# Altium PCB Enigma Rev B.PcbDoc (part 8 of 8)
Units mm, origin at the board's own origin, x right, y up, seen from the top; angles counter-clockwise.
Board outline 239.08 x 138 mm, 6 copper layers (Component Side, Ground Plane (GND), Inner Layer 1, Inner Layer 2, Power Plane (VCC), Solder Side), stack 1.297 mm thick; 556 components, 648 nets, 2393 pads, 1101 vias.
Unrouted connection lines stored in the file: 43.
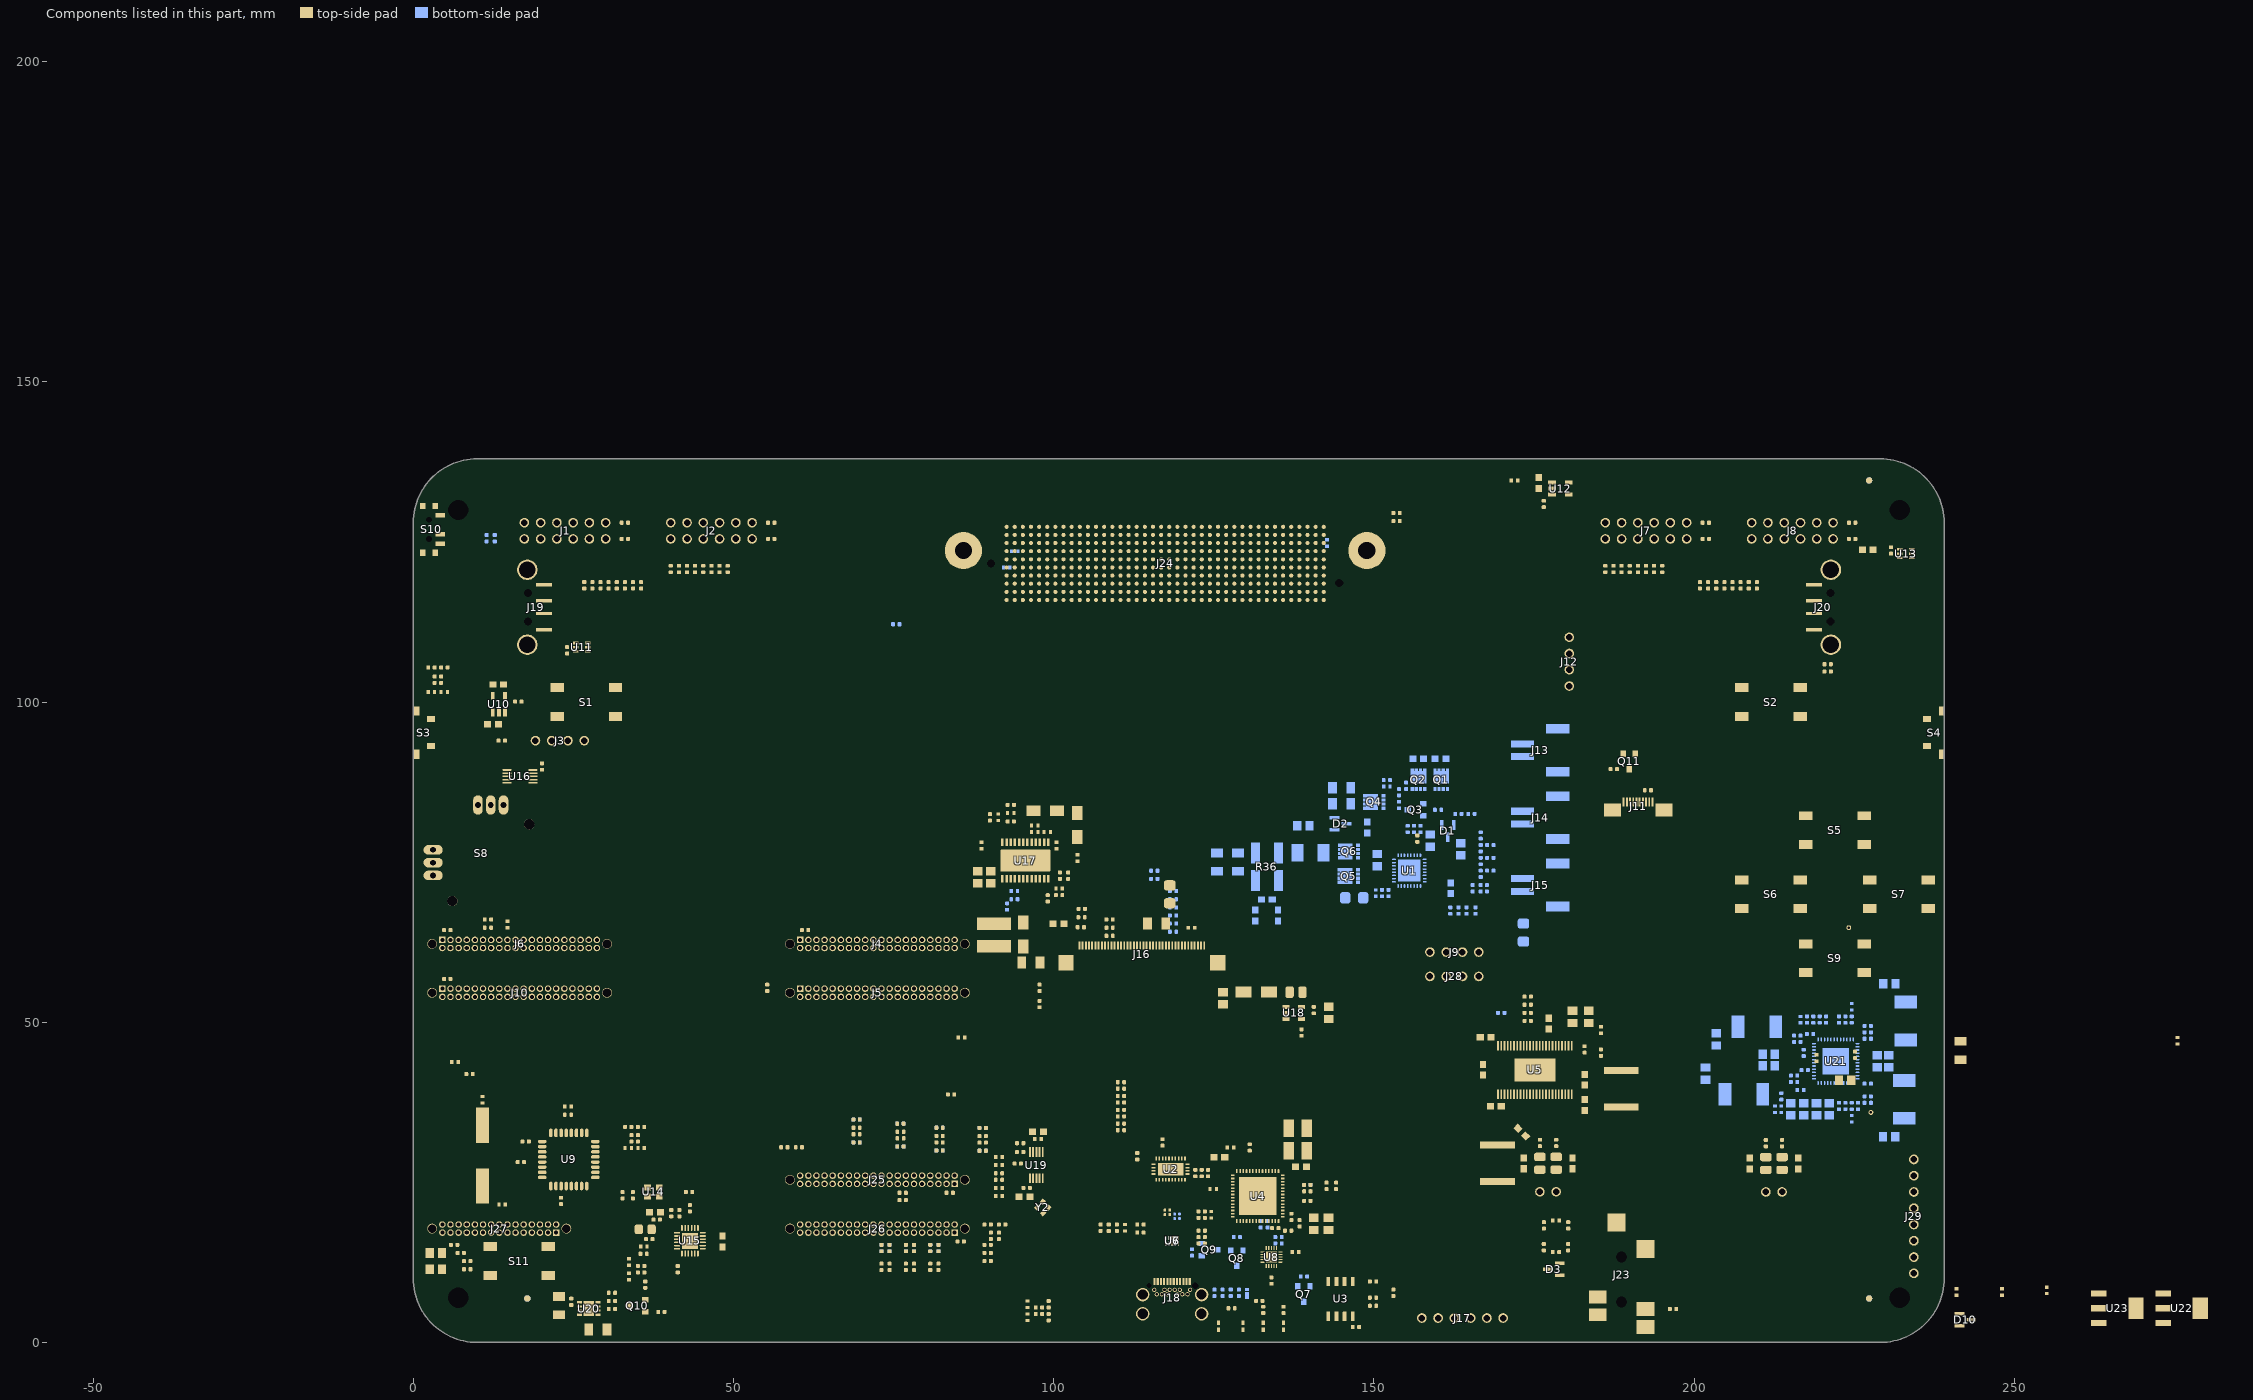
[diagram p12: the components of this part, seen from the top]

## Polygon pours and split planes (outlines as drawn)
VBUS on Inner Layer 2 "VBUS_L04_P000" (solid, remove dead copper, pour order 0): 116.967,8.255 116.967,9.525 118.237,10.795 138.945,10.795 142.2,14.05 142.2,16.75 143.6,16.75 143.6,11.52 139.065,6.985 125.73,6.985 123.825,8.89 120.65,8.89 120.015,8.255
VIN on Inner Layer 2 "VIN_L04_P004" (solid, remove dead copper, pour order 4): 132.08,29.845 132.08,37.465 152.4,57.785 152.4,81.28 152.4,87.63 153.035,88.265 158.75,88.265 160.02,86.995 160.02,52.07 137.795,29.845
V5P0 on Inner Layer 2 "V5P0_L04_P016" (solid, remove dead copper, pour order 16): 162.306,25.4 178.816,41.91 233.045,41.91 236.22,45.085 236.22,123.19 222.885,136.525 172.72,136.525 172.72,135.382 175.387,132.715 220.345,132.715 228.6,124.46 228.6,48.895 227.33,47.625 178.816,47.625 160.655,29.464 136.271,29.464 132.08,29.464 91.694,69.85 87.376,69.85 86.995,69.469 86.995,67.31 86.995,60.972 86.36,60.325 55.245,60.325 34.925,40.005 34.925,5.842 36.83,3.937 40.894,3.937 42.164,5.207 42.164,40.894 55.88,54.61 58.42,57.15 97.155,57.15 128.905,25.4 136.525,25.4
USB_3V3 on Inner Layer 1 "USB_3V3_L03_P012" (solid, remove dead copper, pour order 12): 182.245,11.43 180.34,11.43 170.815,1.905 156.845,1.905 154.305,4.445 154.305,18.415 139.7,33.02 113.792,33.02 102.87,22.098 102.87,3.175 105.41,0.635 180.975,0.635 182.245,1.905
V3P3 on Inner Layer 1 "V3P3_L03_P020" (solid, remove dead copper, pour order 20): 90.091,119.761 91.361,118.491 92.631,117.221 93.647,117.221 93.901,117.475 93.901,118.11 94.282,118.491 102.791,118.491 102.791,132.461 101.521,133.731 91.361,133.731 90.091,132.461
no net on Inner Layer 1 "NONET_L03_P022" (solid, remove dead copper, pour order 22): 94.409,118.364 94.028,117.983 94.028,117.348 93.774,117.094 88.059,117.094 78.153,127 64.77,127 64.135,126.365 64.135,125.857 64.77,125.222 71.93,125.222 83.741,113.411 96.441,113.411 98.981,115.951 98.981,118.364
V1P8 on Inner Layer 1 "V1P8_L03_P002" (solid, remove dead copper, pour order 2): 32.385,24.13 32.385,17.78 35.56,14.605 46.355,14.605 51.435,9.525 72.39,9.525 72.39,10.795 53.34,10.795 48.895,15.24 48.895,22.86 47.625,24.13
V2P5 on Inner Layer 1 "V2P5_L03_P018" (solid, remove dead copper, pour order 18): 215.265,49.53 213.741,51.054 205.105,51.054 175.641,21.59 165.354,21.59 148.463,38.481 61.341,38.481 55.88,33.02 55.88,29.845 57.15,28.575 67.818,28.575 73.025,28.575 73.66,27.94 73.596,22.796 74.803,21.59 93.345,21.59 94.615,20.32 97.155,20.32 109.22,32.385 124.206,32.385 126.111,34.29 139.065,34.29 156.845,16.51 179.07,16.51 205.867,43.307 210.312,43.307 215.265,48.26
VSYS on Solder Side "VSYS_L06_P006" (solid, remove dead copper, pour order 6): 29.718,3.683 29.718,2.54 94.615,2.54 118.745,26.67 118.745,29.845 124.46,35.56 161.925,35.56 166.37,31.115 172.085,31.115 172.72,31.75 175.895,34.925 193.675,34.925 194.31,35.56 194.31,37.465 193.675,38.1 172.72,38.1 166.37,44.45 153.67,44.45 133.985,64.135 130.81,64.135 123.317,71.628 123.317,76.708 123.096,76.929 121.271,76.929 120.271,75.929 120.271,71.499 137.795,53.975 137.795,44.45 133.985,40.64 118.745,40.64 114.3,36.195 114.3,29.21 94.615,9.525 32.258,9.525 29.718,6.985
VSYS on Component Side "VSYS_L01_P010" (solid, remove dead copper, pour order 10): 178.816,36.83 180.086,35.56 216.408,35.56 217.551,36.703 217.551,43.815 223.901,43.815 224.505,44.419 225.964,44.419 226.568,43.815 228.6,43.815 228.6,45.72 224.79,49.53 217.805,49.53 211.455,43.18 200.025,43.18 193.675,36.83 180.213,36.83 179.959,37.084 179.959,37.719 178.816,37.719
VDDD_V3P3 on Component Side "VDDD_V3P3_L01_P014" (solid, remove dead copper, pour order 14): 217.613,44.069 217.613,39.689 219.837,37.465 231.521,37.465 231.902,37.846 231.902,43.053 231.14,43.815 226.568,43.815 225.964,44.419 224.505,44.419 223.901,43.815 219.831,43.815 219.577,44.069
GND on Ground Plane (GND) (split plane): 229.488,137.482 229.926,137.452 230.361,137.401 230.794,137.33 231.223,137.24 231.648,137.13 232.066,137 232.479,136.851 232.884,136.683 233.281,136.497 233.669,136.292 234.047,136.07 234.414,135.831 234.77,135.575 235.114,135.303 235.445,135.015 235.762,134.712 236.065,134.395 236.353,134.064 236.625,133.72 236.881,133.364 237.12,132.997 237.342,132.619 237.547,132.231 237.733,131.834 237.901,131.429 238.05,131.016 238.18,130.598 238.29,130.173 238.38,129.744 238.451,129.311 238.502,128.876 238.532,128.438 238.542,128.02 238.54,128 238.54,10 238.542,9.98 238.532,9.562 238.502,9.124 238.451,8.689 238.38,8.256 238.29,7.827 238.18,7.402 238.05,6.984 237.901,6.571 237.733,6.166 237.547,5.769 237.342,5.381 237.12,5.003 236.881,4.636 236.625,4.28 236.353,3.936 236.065,3.605 235.762,3.288 235.445,2.985 235.114,2.697 234.77,2.425 234.414,2.169 234.047,1.93 233.669,1.708 233.281,1.503 232.884,1.317 232.479,1.149 232.066,1 231.648,0.87 231.223,0.76 230.794,0.67 230.361,0.599 229.926,0.548 229.488,0.518 229.07,0.508 229.05,0.51 9.967,0.51 9.947,0.508 9.529,0.518 9.091,0.548 8.656,0.599 8.223,0.67 7.794,0.76 7.369,0.87 6.951,1 6.538,1.149 6.133,1.317 5.736,1.503 5.348,1.708 4.97,1.93 4.603,2.169 4.247,2.425 3.903,2.697 3.572,2.985 3.255,3.288 2.952,3.605 2.664,3.936 2.392,4.28 2.136,4.636 1.897,5.003 1.675,5.381 1.47,5.769 1.284,6.166 1.116,6.571 0.967,6.984 0.837,7.402 0.727,7.827 0.637,8.256 0.566,8.689 0.515,9.124 0.485,9.562 0.475,9.98 0.477,10 0.477,128 0.475,128.02 0.485,128.438 0.515,128.876 0.566,129.311 0.637,129.744 0.727,130.173 0.837,130.598 0.967,131.016 1.116,131.429 1.284,131.834 1.47,132.231 1.675,132.619 1.897,132.997 2.136,133.364 2.392,133.72 2.664,134.064 2.952,134.395 3.255,134.712 3.572,135.015 3.903,135.303 4.247,135.575 4.603,135.831 4.97,136.07 5.348,136.292 5.736,136.497 6.133,136.683 6.538,136.851 6.951,137 7.369,137.13 7.794,137.24 8.223,137.33 8.656,137.401 9.091,137.452 9.529,137.482 9.947,137.492 9.967,137.49 229.05,137.49 229.07,137.492
V3P3 on Power Plane (VCC) (split plane): 230 vertices, not listed, extent 0.475,0.508 238.542,137.492
VADJ on Power Plane (VCC) (split plane): 144.572,128.597 144.572,122.301 144.581,122.251 144.609,122.209 147.149,119.669 147.191,119.641 147.241,119.632 172.92,119.632 183.386,109.166 183.386,79.375 183.395,79.325 183.423,79.283 211.326,51.381 211.326,45.72 211.326,37.646 209.496,35.816 203.127,35.816 200.789,38.154 200.789,50.165 200.78,50.215 200.752,50.257 175.389,75.619 175.389,96.52 175.38,96.57 175.352,96.612 163.366,108.598 163.324,108.626 163.274,108.635 147.241,108.635 147.191,108.626 147.149,108.598 127.581,89.029 103.505,89.029 103.455,89.02 103.413,88.992 97.101,82.679 80.645,82.679 80.595,82.67 80.553,82.642 64.716,66.804 60.325,66.804 60.275,66.795 60.233,66.767 58.328,64.862 52.613,59.147 52.585,59.105 52.576,59.055 52.576,55.934 40.586,43.944 8.944,43.944 1.997,50.892 1.955,50.92 1.905,50.929 0.477,50.929 0.477,67.181 2.54,67.181 2.59,67.19 2.632,67.218 7.077,71.663 7.105,71.705 7.114,71.755 7.114,74.241 29.937,97.063 29.965,97.105 29.974,97.155 29.974,100.911 51.489,122.426 57.15,122.426 57.2,122.435 57.242,122.463 65.84,131.062 142.107,131.062

## Other copper
Component Side:
  region net NetC26_2: 147.066,87.376 147.32,87.63 147.955,87.63 148.209,87.376 148.209,80.264 144.78,76.835 144.78,70.104 144.399,69.723 143.256,69.723 142.875,70.104 142.875,77.47 147.066,81.661
  region net V3P3: 143.65,52.886 143.65,53.394 143.523,53.521 142.38,53.521 142.253,53.394 142.253,52.886
  region net V3P3: 192.587,85.471 192.587,85.598 192.333,85.852 192.333,86.995 191.952,86.995 191.952,85.471
  region net GND: 192.913,85.471 192.913,85.598 193.167,85.852 193.167,86.995 193.548,86.995 193.548,85.471
  region net TFT_LED_N: 135.89,50.8 123.825,50.8 119.634,54.991 119.634,60.452 118.872,60.452 118.872,53.848 122.555,50.165 135.89,50.165
  region net GND: 142.24,50.024 142.24,49.516 142.367,49.389 143.51,49.389 143.637,49.516 143.637,50.024
  region net V3P3: 138.43,54.61 138.43,52.197 142.875,52.197 142.875,52.578 139.192,52.578 139.065,52.705 139.065,54.61
  region net NetD8_1: 134.112,55.245 136.525,55.245 136.525,52.451 135.89,52.451 135.89,53.34 135.255,53.975 134.112,53.975
  region net GND: 125.73,52.324 125.73,51.816 125.857,51.689 127,51.689 127.127,51.816 127.127,52.324
  region net GND: 118.745,71.882 118.745,73.025 118.618,73.152 117.602,73.152 117.475,73.025 117.475,71.882
  region net TFT_LED_P: 128.524,55.118 124.587,55.118 123.825,55.88 123.825,60.579 123.698,60.706 122.809,60.706 122.809,55.118 123.698,54.229 128.524,54.229
  region net TFT_LED_N: 119.634,63.246 118.745,63.246 118.364,63.627 118.364,66.929 117.602,67.691 117.602,68.199 118.872,68.199 119.38,67.691 119.38,64.135 119.634,63.881
  region net GND: 114.046,66.294 113.538,66.294 113.284,66.04 113.284,64.77 113.538,64.516 114.046,64.516
  region net TFT_AVDD: 118.11,61.976 118.11,66.675 115.57,69.215 99.695,69.215 99.695,67.691 101.346,67.691 101.981,68.326 115.189,68.326 116.84,66.675 116.84,64.262 117.856,63.246 117.856,61.976
  region net SNK_VIN: 25.908,4.445 24.511,4.445 24.003,4.953 23.622,4.953 23.622,3.683 24.003,3.683 24.511,4.191 25.908,4.191
  region net V2P5: 96.393,25.019 96.393,23.495 96.647,23.241 96.647,20.828 96.52,20.701 95.885,20.701 95.758,20.828 95.758,23.114 96.139,23.495 96.139,25.019
  region net V5P0: 41.148,16.002 39.497,16.002 39.37,15.875 37.338,15.875 37.338,16.383 37.719,16.383 37.719,16.891 37.338,16.891 37.338,18.288 38.1,18.288 38.227,18.161 38.227,17.526 39.497,16.256 41.148,16.256
  region net V1P8: 47.879,17.018 46.609,17.018 46.355,16.764 46.355,16.51 46.863,16.51 47.117,16.256 47.879,16.256
  region net NetC115_2: 39.37,14.986 38.989,14.986 37.592,13.589 37.338,13.589 37.338,15.494 38.354,15.494 39.37,15.494 39.624,15.748 40.259,15.748 40.259,15.494 39.878,15.494
  region net V5P0: 40.132,17.145 39.497,17.78 39.497,20.701 39.37,20.828 38.481,20.828 38.481,17.653 39.624,16.51 40.132,16.51
  region net GND: 191.29,42.763 191.29,43.271 190.909,43.652 186.337,43.652 185.956,43.271 185.956,42.763
  region net AUDIO_GVDD: 180.876,38.516 181.384,38.516 182.527,39.659 182.908,39.659 182.908,40.548 182.146,40.548 181.003,39.405 180.876,39.405
  region net VSYS: 171.986,31.15 171.986,32.42 173.51,33.944 173.51,36.992 172.748,36.992 172.748,34.198 171.732,33.182 168.176,33.182 166.652,31.658 166.652,31.15
  region net GND: 166.652,24.8 166.652,24.292 167.033,23.911 171.605,23.911 171.986,24.292 171.986,24.8
  region net V3P3: 105.115,63.35 103.815,63.35 103.685,63.48 103.685,64.13 103.815,64.26 104.595,64.26 104.595,64.845 104.92,64.845 104.92,64.26 105.115,64.065
  region net GND: 94.435,58.62 93.835,58.62 93.685,58.77 93.685,59.87 93.835,60.02 94.435,60.02
  region net TFT_VGL: 103.49,76.35 103.49,76.675 103.035,77.13 103.035,78.105 104.335,78.105 104.335,77.13 103.88,76.675 103.88,76.35
  region net NetC134_2: 98.933,71.12 100.33,71.12 100.33,70.739 99.822,70.739 99.695,70.612 99.695,70.104 99.822,69.977 100.33,69.977 100.33,69.596 98.933,69.596 98.933,70.104 99.06,70.231 99.06,70.739 98.933,70.866
  region net TFT_AVDD: 94.488,71.12 97.282,71.12 97.282,68.707 95.885,67.31 95.885,66.548 98.29,64.143 98.29,58.547 97.38,58.547 97.38,63.148 94.522,66.006
  region net GND: 87.376,75.692 88.265,76.581 99.951,76.581 100.175,76.806 100.175,77.065 100.305,77.065 100.695,77.065 100.695,76.545 100.305,76.155 100.305,73.685 100.457,73.533 100.965,73.533 100.965,73.152 100.33,73.152 99.949,73.533 99.949,74.803 99.822,74.93 91.186,74.93 90.932,74.676 90.932,74.168 89.408,74.168 89.408,74.803 89.281,74.93 89.027,74.93 88.9,74.803 88.9,74.168 88.138,74.168 87.376,74.168
  region net V5P0: 87.376,71.247 87.376,67.564 88.011,66.929 88.011,66.294 92.456,66.294 92.456,67.056 94.107,68.707 94.107,71.12 92.456,71.12 91.821,70.485 91.186,70.485 90.932,70.739 90.932,71.247 89.408,71.247 89.408,70.612 89.281,70.485 89.027,70.485 88.9,70.612 88.9,71.247
  region net VSYS: 29.083,4.445 30.48,4.445 32.258,4.445 32.512,4.191 32.512,2.921 32.258,2.667 29.718,2.667 29.718,3.937 29.464,4.191 29.083,4.191
  region net GND: 26.924,2.794 26.924,4.191 27.813,4.191 27.813,2.794
  region net NetC47_2: 136.3,20.55 138,20.55 139.6,18.95 142.7,18.95 142.7,19.95 139.6,19.95 138.4,21.15 136.3,21.15
  region net GND: 141.3,17 141.3,16.4 141.15,16.25 140.05,16.25 139.9,16.4 139.9,17
  region net VBUS: 143.6,17 143.6,16.4 143.45,16.25 142.35,16.25 142.2,16.4 142.2,17
  region net VIN: 132.5,27.25 132.5,32.35 134.8,34.65 136,34.65 136,28.95 133.8,28.95 133.2,28.35 133.2,27.25
  region net GND: 140.1,34.75 140.6,34.75 140.9,34.45 140.9,32.45 140.6,32.15 140.1,32.15
  region net GND: 140.1,31.25 140.6,31.25 140.9,30.95 140.9,28.95 140.6,28.65 140.1,28.65
  region net V5P0: 136.3,27.55 136.7,27.95 137.3,27.95 137.3,26.95 136.9,26.95 136.8,26.85 136.8,25.65 136.6,25.45 136.3,25.45
  region net GND: 139.9,27.95 140.6,27.95 140.8,27.75 140.8,27.05 140.7,26.95 139.9,26.95
  region net GND: 1.995,10.73 1.395,10.73 1.245,10.88 1.245,11.98 1.395,12.13 1.995,12.13
  region net GND: 1.995,13.27 1.395,13.27 1.245,13.42 1.245,14.52 1.395,14.67 1.995,14.67
  text "Layer" at -50.369,198.12 h1.52
  text "Name" at -39.957,198.12 h1.52
  text "Material" at -10.501,198.12 h1.52
  text "Thickness" at 11.337,198.12 h1.52
  text "Constant" at 27.843,198.12 h1.52
  text "Board Layer Stack" at 42.317,198.12 h1.52
  text "1" at -50.369,195.072 h1.52
  text "Top Overlay" at -39.957,195.072 h1.52
  text "2" at -50.369,192.024 h1.52
  text "Top Solder" at -39.957,192.024 h1.52
  text "Solder Resist" at -10.501,192.024 h1.52
  text "0.40mil" at 11.337,192.024 h1.52
  text "3.5" at 27.843,192.024 h1.52
  text "3" at -50.369,188.976 h1.52
  text "Component Side" at -39.957,188.976 h1.52
  text "Copper" at -10.501,188.976 h1.52
  text "1.40mil" at 11.337,188.976 h1.52
  text "4" at -50.369,185.928 h1.52
  text "Dielectric 1" at -39.957,185.928 h1.52
  text "FR-4" at -10.501,185.928 h1.52
  text "12.60mil" at 11.337,185.928 h1.52
  text "4.8" at 27.843,185.928 h1.52
  text "5" at -50.369,182.88 h1.52
  text "Ground Plane (GND)" at -39.957,182.88 h1.52
  text "Copper" at -10.501,182.88 h1.52
  text "1.42mil" at 11.337,182.88 h1.52
  text "6" at -50.369,179.832 h1.52
  text "Dielectric 3" at -39.957,179.832 h1.52
  text "5.00mil" at 11.337,179.832 h1.52
  text "4.2" at 27.843,179.832 h1.52
  text "7" at -50.369,176.784 h1.52
  text "Inner Layer 1" at -39.957,176.784 h1.52
  text "Copper" at -10.501,176.784 h1.52
  text "1.42mil" at 11.337,176.784 h1.52
  text "8" at -50.369,173.736 h1.52
  text "Dielectric 6" at -39.957,173.736 h1.52
  text "10.00mil" at 11.337,173.736 h1.52
  text "4.2" at 27.843,173.736 h1.52
  text "9" at -50.369,170.688 h1.52
  text "Inner Layer 2" at -39.957,170.688 h1.52
  text "Copper" at -10.501,170.688 h1.52
  text "1.42mil" at 11.337,170.688 h1.52
  text "10" at -50.369,167.64 h1.52
  text "Dielectric 5" at -39.957,167.64 h1.52
  text "5.00mil" at 11.337,167.64 h1.52
  text "4.2" at 27.843,167.64 h1.52
  text "11" at -50.369,164.592 h1.52
  text "Power Plane (VCC)" at -39.957,164.592 h1.52
  text "Copper" at -10.501,164.592 h1.52
  text "1.42mil" at 11.337,164.592 h1.52
  text "12" at -50.369,161.544 h1.52
  text "Dielectric 4" at -39.957,161.544 h1.52
  text "10.00mil" at 11.337,161.544 h1.52
  text "4.2" at 27.843,161.544 h1.52
  text "13" at -50.369,158.496 h1.52
  text "Solder Side" at -39.957,158.496 h1.52
  text "Copper" at -10.501,158.496 h1.52
  text "1.40mil" at 11.337,158.496 h1.52
  text "14" at -50.369,155.448 h1.52
  text "Bottom Solder" at -39.957,155.448 h1.52
  text "Solder Resist" at -10.501,155.448 h1.52
  text "0.40mil" at 11.337,155.448 h1.52
  text "3.5" at 27.843,155.448 h1.52
  text "15" at -50.369,152.4 h1.52
  text "Bottom Overlay" at -39.957,152.4 h1.52
  text "GTL - TOP LAYER" at -106.74,0.26 h1.52
Inner Layer 1:
  region net TFT_AVDD: 95.504,70.485 95.504,68.58 96.393,67.691 100.711,67.691 100.711,69.215 99.06,69.215 97.536,70.739 95.758,70.739
  region net VSYS: 158.355,85.954 158.355,83.704 152.855,78.204 141.605,78.204 138.066,74.665 121.086,74.665 120.324,75.427 120.324,76.062 123.716,79.454 151.205,79.454 155.905,84.154 155.905,85.754 156.405,86.254 158.055,86.254
Solder Side:
  region net GND: 220.42,34.919 220.42,34.319 220.681,34.058 221.559,34.058 221.82,34.319 221.82,34.919
  region net GND: 218.42,34.919 218.42,34.319 218.681,34.058 219.559,34.058 219.82,34.319 219.82,34.919
  region net GND: 216.42,34.919 216.42,34.319 216.681,34.058 217.559,34.058 217.82,34.319 217.82,34.919
  region net GND: 214.42,34.919 214.42,34.319 214.681,34.058 215.559,34.058 215.82,34.319 215.82,34.919
  region net GND: 210.17,43.919 209.57,43.919 209.309,43.658 209.309,42.78 209.57,42.519 210.17,42.519
  region net GND: 210.17,45.719 209.57,45.719 209.309,45.458 209.309,44.58 209.57,44.319 210.17,44.319
  region net GND: 202.754,45.81 202.754,45.21 203.015,44.949 203.893,44.949 204.154,45.21 204.154,45.81
  region net GND: 157.971,79.76 157.971,80.487 158.221,80.737 159.321,80.737 159.571,80.487 159.571,79.76
  region net GND: 143.101,85.829 142.374,85.829 142.124,86.079 142.124,87.179 142.374,87.429 143.101,87.429
  region net GND: 143.101,83.329 142.374,83.329 142.124,83.579 142.124,84.679 142.374,84.929 143.101,84.929
  region net GND: 129.571,73.152 129.571,72.425 129.321,72.175 128.221,72.175 127.971,72.425 127.971,73.152
  region net GND: 151.221,76.829 151.221,77.429 150.96,77.69 150.082,77.69 149.821,77.429 149.821,76.829
  region net GND: 137.475,81.41 136.875,81.41 136.614,81.149 136.614,80.271 136.875,80.01 137.475,80.01
  region net TFT_AVDD: 94.488,70.739 97.028,70.739 97.282,70.485 97.282,68.707 96.647,68.072 94.996,68.072 94.488,68.58
  region net NetC117_1: 92.456,68.573 92.456,69.596 92.71,69.85 92.71,70.866 91.567,70.866 91.44,70.993 91.44,71.247 91.567,71.374 93.091,71.374 93.218,71.247 93.218,68.71 93.085,68.573
  region net GND: 164.233,78.514 164.233,79.114 163.972,79.375 163.094,79.375 162.833,79.114 162.833,78.514
  region net GND: 147.721,76.179 148.321,76.179 148.521,76.379 148.521,77.679 148.321,77.879 147.721,77.879
  region net NetL1_1: 137.221,77.429 135.521,77.429 135.521,75.429 137.221,75.429
  region net GND: 126.271,73.152 126.271,72.425 126.021,72.175 124.921,72.175 124.671,72.425 124.671,73.152
  region net VIN: 151.511,83.929 153.371,83.929 153.771,84.329 153.771,85.529 151.511,85.529
  region net VSYS: 156.446,86.254 156.446,85.654 156.646,85.454 157.946,85.454 158.146,85.654 158.146,86.254
  region net NetC26_2: 148.378,83.429 146.978,83.429 146.878,83.529 146.878,87.029 147.028,87.179 147.628,87.179 147.878,86.929 147.878,85.629 148.078,85.429 148.378,85.429
  region net HSRN: 131.271,67.929 131.271,69.179 130.771,69.179 130.771,69.929 131.271,69.929 131.271,71.729 131.771,71.729 131.771,70.179 132.021,69.929 132.021,68.679 131.771,68.429 131.771,67.929
  region net HSRP: 135.271,67.929 135.271,69.179 135.771,69.179 135.771,69.929 135.271,69.929 135.271,71.729 134.771,71.729 134.771,70.179 134.521,69.929 134.521,68.679 134.771,68.429 134.771,67.929
  region net NetJ14_2: 174.271,72.679 174.271,80.929 172.321,80.929 172.271,80.879 172.271,72.679
  region net NetC15_2: 174.271,93.727 174.271,101.977 172.321,101.977 172.271,101.927 172.271,93.727
  region net NetJ13_2: 174.271,83.202 174.271,91.452 172.321,91.452 172.271,91.402 172.271,83.202
  region net PGND: 174.155,62.205 174.155,61.455 174.005,61.305 172.705,61.305 172.555,61.455 172.555,62.205
  region net NetQ1_5: 155.821,89.329 161.671,89.329 161.671,89.779 161.521,89.929 155.921,89.929 155.821,89.829
  region net VSYS: 131.021,75.929 123.521,75.929 123.271,75.679 123.271,74.929 123.021,74.679 121.021,74.679 120.271,75.429 120.271,75.929 121.271,76.929 131.021,76.929
  region net NetC26_2: 144.521,73.929 144.271,73.929 143.271,72.929 143.271,70.179 144.521,68.929 145.021,68.929 145.021,69.929 144.621,69.929 144.521,70.029
  region net PH: 147.521,72.279 148.121,72.279 148.271,72.429 148.271,74.429 147.621,75.079 145.121,75.079 145.021,75.179 145.021,77.829 143.921,77.829 143.521,77.429 142.971,77.429 142.971,75.529 143.421,75.529 144.521,74.429 147.221,74.429 147.521,74.129
  region net NetC15_2: 160.021,86.229 160.021,85.629 160.521,85.129 160.521,84.179 161.021,83.679 161.021,83.429 160.671,83.429 160.671,82.931 161.667,82.931 161.921,83.185 164.471,83.185 164.471,82.55 164.973,82.55 164.973,83.429 164.709,83.693 161.783,83.693 161.29,84.161 161.29,84.948 162.521,86.179 162.521,90.929 162.021,91.429 161.621,91.429 161.621,94.779 170.021,103.179 171.771,103.179 171.771,103.929 168.271,103.929 160.821,96.479 160.821,91.429 161.621,90.929 161.871,90.929 162.021,90.779 162.021,86.329 161.921,86.229
  region: 76.1,118.115 76.1,119.02 75.994,119.126 74.851,119.126 74.7,118.975 74.7,118.115
  region: 67.9,115.665 67.9,116.165 67.25,116.815 67.25,118.465 67.95,119.165 69.2,119.165 69.4,119.365 69.4,120.065 64.9,120.065 64.9,119.315 65.05,119.165 65.95,119.165 66.65,118.465 66.65,116.415 66.9,116.165 66.9,115.665
  region: 72.4,121.665 72.4,119.565 70.4,117.565 70.4,110.165 69.9,110.165 69.9,110.565 69.5,110.965 68.7,110.965 67.9,110.165 66.65,110.165 66.65,110.515 67.7,110.515 68.75,111.565 69.3,111.565 69.4,111.665 69.4,114.115 66.4,114.115 66.3,114.015 66.3,113.965 66.2,113.865 66.05,113.865 66.05,115.115 66.2,115.115 66.3,115.015 66.3,114.615 66.4,114.515 69.4,114.515 69.4,117.915 71.45,119.965 71.45,121.665
  region net VSYS: 72.4,114.515 74.75,114.515 75,114.765 75,115.665 75.9,115.665 75.9,113.915 75.65,113.665 74.5,113.665 74.05,114.115 72.4,114.115
  region: 72.488,124.2 72.488,125.47 71.091,126.867 64.868,126.867 64.233,126.232 64.233,125.343 70.456,125.343 71.218,124.581 71.218,124.2
  region net NetC172_2: 221.72,37.969 221.72,38.969 221.17,38.969 220.52,38.319 220.52,37.969
  region net NetC173_2: 219.72,37.969 219.72,38.969 219.17,38.969 218.52,38.319 218.52,37.969
  region net GND: 226.62,43.069 226.97,43.069 227.62,42.419 228.02,42.419 228.02,43.419 227.47,43.419 227.12,43.769 226.62,43.769
  region net VSYS: 226.62,44.769 226.97,44.769 227.62,45.419 228.02,45.419 228.02,44.419 227.47,44.419 227.12,44.069 226.62,44.069
  region net VSYS: 215.77,37.919 215.77,38.119 215.87,38.219 216.42,38.219 216.52,38.119 216.52,37.919 217.77,37.919 217.77,38.119 219.07,39.419 220.17,39.419 220.47,39.719 220.47,39.919 218.62,39.919 217.62,38.919 215.12,38.919 214.62,38.419 214.62,37.919
  region net VSYS: 217.62,43.569 214.12,43.569 213.62,43.069 213.62,45.269 215.37,45.269 216.37,44.269 217.62,44.269
  region net NetC163_1: 214.006,46.119 214.87,46.119 215.02,46.269 215.02,47.019 213.62,48.419 213.62,49.27 213.106,49.784 213.106,47.019
  region net V2P5: 205.929,50.966 205.179,50.966 203.073,48.86 203.073,47.666 204.216,47.666 205.929,47.666
  region net NetC145_1: 226.12,46.269 226.12,45.069 226.87,45.069 227.62,45.819 232.07,45.819 232.07,48.269 229.12,48.269 228.47,47.619 227.82,47.619 227.82,47.269 228.12,47.269 228.12,47.019 227.37,46.269
  region net NetC151_1: 226.12,41.569 226.12,42.769 226.87,42.769 227.62,42.019 232.07,42.019 232.07,39.569 229.12,39.569 228.47,40.219 227.82,40.219 227.82,40.569 228.12,40.569 228.12,40.819 227.37,41.569
  region net NetC157_1: 216.62,43.269 214.592,43.269 211.709,40.386 211.709,38.308 213.614,40.213 213.614,41.529 214.504,42.419 216.62,42.419
  region net VADJ: 204.343,37.084 202.692,37.084 201.041,38.735 201.041,40.64 204.089,40.64 204.343,40.386
  region net GND: 201.074,43.481 201.074,44.081 201.335,44.342 202.213,44.342 202.474,44.081 202.474,43.481
  region net V3P3: 234.481,34.098 234.481,33.348 232.375,31.242 231.181,31.242 231.181,32.385 231.181,34.098
  region net GND: 229.108,32.893 228.092,32.893 227.965,32.766 227.965,31.496 228.092,31.369 229.108,31.369
  region net V5P0: 234.735,54.069 234.735,54.819 232.785,56.769 231.435,56.769 231.435,55.782 231.435,54.069
  region net GND: 229.042,55.245 228.092,55.245 227.899,55.438 227.899,56.576 228.092,56.769 229.042,56.769
  text "GBL - BOTTOM LAYER" at -106.74,-20.24 h1.52
Ground Plane (GND) (plane layer: these items are gaps in the copper):
  text "GP1 - GROUND PLANE 1" at -106.378,-7.137 h1.52
Power Plane (VCC) (plane layer: these items are gaps in the copper):
  lines w0.254: -0.033,50.8 1.905,50.8 8.89,43.815 40.64,43.815 52.705,55.88 52.705,59.055 58.42,64.77 60.325,66.675 61.595,66.675 64.77,66.675 80.645,82.55 97.155,82.55 103.505,88.9 127.635,88.9 147.241,108.506 163.274,108.506 175.26,96.52 175.26,75.565 200.66,50.165 200.66,38.1 203.073,35.687 209.55,35.687 211.455,37.592 211.455,45.72 211.455,51.435 183.515,79.375 183.515,109.22 172.974,119.761 147.241,119.761 144.701,122.301 144.701,128.651 142.161,131.191 65.786,131.191 57.15,122.555 51.435,122.555 29.845,100.965 29.845,97.155 6.985,74.295 6.985,71.755 2.54,67.31 -0.033,67.31
  text "GP2 - POWER PLANE 1" at -106.74,-9.74 h1.52
Multi-Layer:
  text "MULTI-LAYER HOLES" at -38.077,-40.361 h1.52

## Silkscreen, mask and mechanical layers (free items; w line width, h text height)
Top Overlay:
  lines w0.127: 19.05,92.329 19.304,92.075 21.463,92.075 21.844,91.694 ; 21.844,92.329 22.098,92.075 23.876,92.075 24.13,91.821 ; 24.257,92.329 24.511,92.075 25.781,92.075 26.035,91.821 ; 26.924,92.202 28.067,91.059 28.067,89.662
  text "POWER" at 5.969,134.747 h2.54
  text "O" at 154.861,118.491 h12.7
  text "FMC LPC" at 88.821,110.998 h2.54
  text "R SEL" at 206.375,106.045 h2.54
  text "USB HOST 2" at 223.52,106.045 h2.54
  text "USB HOST 1" at 8.128,105.283 h2.54
  text "L SEL" at 24.13,104.267 h2.54
  text "Snickerdoodle Carrier Board" at 87.63,101.6 h2.54
  text "Enigma" at 87.63,99.06 h2.54
  text "Rev:" at 87.63,96.52 h2.54
  text ".Revision" at 93.345,96.52 h2.54
  text "TFT 7 INCH LCD CAP" at 183.515,93.98 h2.54
  text "AUX ADC" at 32.385,93.345 h2.54
  text "R SHLDR" at 233.68,90.805 h2.54 r90
  text "ADC2" at 22.86,87.63 h1.02 r90
  text "ADC3" at 24.765,87.63 h1.02 r90
  text "V3P3" at 26.67,87.63 h1.02 r90
  text "G" at 27.305,87.63 h2.54
  text "BTN TOP" at 219.456,84.582 h2.54
  text "L SHLDR" at 5.588,80.772 h2.54 r90
  text "TFT 7 INCH LCD" at 110.49,80.01 h2.54
  text "JOYSTICK" at 21.971,79.121 h2.54
  text "BTN RIGHT" at 226.187,74.041 h2.54
  text "BTN LEFT" at 204.47,73.914 h2.54
  text "BTN DOWN" at 216.535,53.721 h2.54
  text "GND" at 227.965,27.94 h1.02
  text "V2P5" at 227.965,25.4 h1.02
  text "VADJ" at 227.965,22.86 h1.02
  text "RIGHT SPEAKER" at 216.535,22.225 h1.27
  text "LEFT SPEAKER" at 161.29,21.59 h1.27
  text "V3P3" at 227.965,20.32 h1.02
  text "Reset" at 12.065,19.304 h2.54
  text "V5P0" at 227.965,17.78 h1.02
  text "V12P0" at 227.965,15.24 h1.02
  text "VBAT" at 227.965,12.7 h1.02
  text "C" at 202.057,10.922 h7.62
  text "USB-C SPI Programming" at 156.845,10.287 h1.27
  text "Cospan Design" at 209.55,10.16 h2.54
  text "VSYS" at 227.965,10.16 h1.02
  text "USB-C" at 104.267,6.477 h2.54
  text "VREF" at 160.528,5.588 h1.02 r90
  text "SCL" at 162.941,5.461 h1.02 r90
  text "MISO" at 165.481,5.461 h1.02 r90
  text "MOSI" at 168.021,5.461 h1.02 r90
  text "CS_N" at 170.561,5.461 h1.02 r90
  text "G" at 156.591,5.334 h2.54
  text "Headphone Jack" at 201.295,0.635 h2.54 r90
Bottom Overlay:
  text "CELL 4" at 197.485,104.775 h2.54
  text "CELL 3" at 197.485,94.615 h2.54
  text "CELL 2" at 197.485,84.455 h2.54
  text "CELL 1" at 197.485,73.66 h2.54
  text "EXT THERMISTOR" at 155.829,60.071 h2.54
  text "GND" at 155.829,56.515 h2.54
Mechanical 2:
  lines w0.254: -0.033,10 ccw(c9.967,10) 9.967,0 229,0 ccw(c229,10) 239,10 239,128 ccw(c229,128) 229,138 9.967,138 ccw(c9.967,128) -0.033,128 -0.033,10
  text "02 PCB BOUNDRY" at -38.077,2.794 h1.52
Mechanical 3:
  text "03" at -38.077,0.254 h1.52
Mechanical 4:
  text "04" at -38.077,-2.286 h1.52
Mechanical 5:
  text "05" at -38.077,-4.826 h1.52
Mechanical 6:
  lines w0.508: -108.413,61.394 -13.663,61.394
  text "FAB NOTES: UNLESS OTHERWISE SPECIFIED" at -108.413,62.144 h1.52
  text "1) MATERIAL: GLASS EPOXY FR-4, UL 94V-0" at -108.485,58.554 h1.52
  text "2) FINISH - ENIG" at -108.485,55.061 h1.52
  text "3) HOLE DIAMETERS APPLY AFTER PLATING" at -108.485,52.076 h1.52
  text "4) SILKSREEN: WHITE EPOXY - BOTH SIDES" at -108.485,49.091 h1.52
  text "5) LAYER TO LAYER REGISTRATION: TO BE WITHIN +/- 0.003" at -108.485,46.106 h1.52
  text "6) ALL HOLES TO BE LOCATED WITHIN +/- 0.003 TRUE POSITION" at -108.485,43.121 h1.52
  text "7) TOLERANCES: .XX = +/- 0.02, .XXX = +/- 0.005" at -108.485,40.644 h1.52
  text "8) ALL DIMENSIONS IN INCHES" at -108.485,37.151 h1.52
  text "9) MIN TRACE WIDTH: 5MIL" at -108.485,34.166 h1.52
  text "10) MIN CLEARANCE: 5MIL" at -108.485,31.181 h1.52
  text "11) PLATE EDGE CONNECTORS PER IPC-6012 LATEST REVISION" at -108.485,28.196 h1.52
  text "12) OVERALL BOARD HEIGHT: 62MILS" at -108.485,25.211 h1.52
  text "13.) 20MIL PULLBACK ON INNER PLANES" at -108.485,22.226 h1.52
  text "14.) 50 OHM TRACE IMPEDANCE ON OUTER LAYERS: 5MILS" at -108.485,19.241 h1.52
  text "15.) 50 OHM TRACE IMPEDANCE ON INNER LAYERS: 5MILS" at -108.485,16.256 h1.52
  text "06 FABRICATION NOTES" at -38.077,-7.366 h1.52
Mechanical 8:
  lines w0.254: 35.052,61.99 104,61.99 104,28.067 ; 189,20.066 189,84.49 202,84.49 ; 37.005,14.986 202,14.986 202,108.8 37.01,108.8 37.005,108.795 37.005,14.986
  text "PMOD A" at 17.145,121.92 h0.76
  text "PMOD B" at 40.005,121.92 h0.76
  text "PMOD C" at 186.055,121.92 h0.76
  text "PMOD D" at 208.915,121.92 h0.76
  text "RIGHT SHOLDER" at 231.902,115.57 h0.76 r270
  text "LEFT SHOLDER" at 7.62,106.553 h0.76 r90
  text "SELECT 2" at 209.725,97.79 h0.76
  text "SELECT 1" at 25.4,92.075 h0.76
  text "X" at 220.345,71.755 h0.76
  text "ANALOG JOYSTICK" at 5.842,64.262 h0.76
  text "A" at 230.505,62.23 h0.76
  text "Y" at 211.455,61.722 h0.76
  text "B" at 219.075,50.8 h0.76
  text "SPEAKER RIGHT" at 217.345,13.589 h0.76
  text "SPEAKER LEFT" at 12.367,12.954 h0.76
  text "08 FRONT WORKGUIDES NOTES" at -38.077,-12.446 h1.52
Mechanical 9:
  text "09 BACK WORKGUIDE NOTES" at -38.077,-14.986 h1.52
Mechanical 10:
  circle w0.152: c-81.74,165.1 r7.62
  circle w0.152: c-81.74,165.1 r5.08
  circle w0.152: c-81.74,165.1 r2.54
  circle w0.152: c248.46,165.1 r7.62
  circle w0.152: c248.46,165.1 r5.08
  circle w0.152: c248.46,165.1 r2.54
  circle w0.152: c248.46,0 r2.54
  circle w0.152: c248.46,0 r5.08
  circle w0.152: c248.46,0 r7.62
  lines w0.127: -91.9,165.1 -71.58,165.1 ; -81.74,154.94 -81.74,175.26 ; 238.3,0 258.62,0 ; 238.3,165.1 258.62,165.1 ; 248.46,-10.16 248.46,10.16 ; 248.46,154.94 248.46,175.26
  text "10" at -38.077,-17.526 h1.52
Mechanical 11:
  text "11 DESIGN INFORMATION" at -38.077,-20.066 h1.52
Mechanical 14:
  text "14" at -38.077,-27.686 h1.52
Mechanical 16:
  lines w0.051: -119.84,12.7 -112.22,12.7 ; -119.84,76.2 -112.22,76.2 ; -119.84,139.7 -112.22,139.7 ; -52.53,-50.8 -52.53,-43.18 ; -52.53,195.58 -52.53,203.2 ; 15.415,-50.8 15.415,-43.18 ; 15.415,195.58 15.415,203.2 ; 83.36,-50.8 83.36,-43.18 ; 83.36,195.58 83.36,203.2 ; 146.86,-43.18 146.86,-31.75 155.75,-31.75 ; 151.305,-50.8 151.305,-43.18 ; 151.305,195.58 151.305,203.2 ; 155.75,-43.18 155.75,-13.97 178.61,-13.97 ; 155.75,-36.83 278.94,-36.83 ; 155.75,-29.21 278.94,-29.21 ; 155.75,-21.59 178.61,-21.59 ; 178.61,-43.18 178.61,-13.97 ; 218.615,-50.8 218.615,-43.18 ; 229.41,-36.83 229.41,-29.21 ; 256.08,-36.83 256.08,-29.21 ; 278.94,-13.97 178.61,-13.97 ; 278.94,139.7 286.56,139.7 ; -119.84,-50.8 286.56,-50.8 286.56,203.2 -119.84,203.2 -119.84,-50.8 ; -112.22,-43.18 278.94,-43.18 278.94,195.58 -112.22,195.58 -112.22,-43.18
  text "1" at -87.455,198.12 h2.29
  text "2" at -19.51,198.12 h2.29
  text "3" at 49.07,198.12 h2.29
  text "4" at 116.38,198.12 h2.29
  text "5" at 184.452,198.12 h2.29
  text "D" at 282.115,171.45 h2.29
  text "D" at -116.538,170.815 h2.29
  text "C" at -116.665,107.315 h2.29
  text "B" at 282.115,44.45 h2.29
  text "B" at -116.665,43.815 h2.29
  text ".DrawnBy" at 157.655,-17.145 h2.29
  text ".Company" at 180.165,-17.383 h2.29
  text "A" at 282.115,-19.05 h2.29
  text "A" at -116.538,-20.955 h2.29
  text ".Engineer" at 157.655,-24.765 h2.29
  text ".Project" at 180.515,-32.258 h2.29
  text ".Print_Date" at 232.204,-32.258 h2.29
  text ".Print_Date" at 157.655,-32.385 h2.29
  text ".Revision" at 257.223,-32.385 h2.29
  text "16 SHEET" at -38.077,-32.766 h1.52
  text "B" at 149.654,-38.227 h4.57
  text "1:1" at 157.782,-40.005 h2.29
  text ".Pcb_File_Name_No_Path" at 180.388,-40.005 h2.29
  text "1" at 270.835,-41.15 h2.29
  text "of" at 266.875,-41.275 h2.29
  text "Sheet" at 249.095,-41.402 h2.29
  text "1" at 258.91,-41.4 h2.29
  text "Size" at 148.13,-41.91 h2.29
  text "1" at -87.455,-48.26 h2.29
  text "2" at -19.51,-48.26 h2.29
  text "3" at 49.07,-48.26 h2.29
  text "4" at 116.38,-48.26 h2.29
  text "5" at 184.325,-48.26 h2.29
  text "6" at 252.27,-48.26 h2.29
Drill Drawing:
  drawing of 162 lines, arcs and shapes, not listed
  text "Symbol" at -105.631,145.161 h1.83
  text "Hit Count" at -92.781,145.161 h1.83
  text "Finished Hole Size" at -75.057,145.161 h1.83
  text "Plated" at -40.879,145.161 h1.83
  text "Hole Type" at -28.029,145.161 h1.83
  text "1" at -92.781,141.351 h1.52
  text "31.50mil (0.800mm)" at -75.057,141.351 h1.52
  text "NPTH" at -40.879,141.351 h1.52
  text "Round" at -28.029,141.351 h1.52
  text "1" at -92.781,137.541 h1.52
  text "39.37mil (1.000mm)" at -75.057,137.541 h1.52
  text "NPTH" at -40.879,137.541 h1.52
  text "Round" at -28.029,137.541 h1.52
  text "2" at -92.781,133.731 h1.52
  text "15.00mil (0.381mm)" at -75.057,133.731 h1.52
  text "PTH" at -40.879,133.731 h1.52
  text "Round" at -28.029,133.731 h1.52
  text "E" at -106.37,133.477 h1.69
  text "2" at -92.781,129.921 h1.52
  text "35.43mil (0.900mm)" at -75.057,129.921 h1.52
  text "PTH" at -40.879,129.921 h1.52
  text "Round" at -28.029,129.921 h1.52
  text "F" at -106.37,129.667 h1.69
  text "2" at -92.781,126.111 h1.52
  text "50.00mil (1.270mm)" at -75.057,126.111 h1.52
  text "NPTH" at -40.879,126.111 h1.52
  text "Round" at -28.029,126.111 h1.52
  text "B" at -106.37,125.857 h1.69
  text "2" at -92.781,122.301 h1.52
  text "62.99mil (1.600mm)" at -75.057,122.301 h1.52
  text "PTH" at -40.879,122.301 h1.52
  text "Round" at -28.029,122.301 h1.52
  text "2" at -92.781,118.491 h1.52
  text "66.93mil (1.700mm)" at -75.057,118.491 h1.52
  text "NPTH" at -40.879,118.491 h1.52
  text "Round" at -28.029,118.491 h1.52
  text "2" at -92.781,114.681 h1.52
  text "106.30mil (2.700mm)" at -75.057,114.681 h1.52
  text "PTH" at -40.879,114.681 h1.52
  text "Round" at -28.029,114.681 h1.52
  text "A" at -106.37,114.427 h1.69
  text "4" at -92.781,110.871 h1.52
  text "49.21mil (1.250mm)" at -75.057,110.871 h1.52
  text "NPTH" at -40.879,110.871 h1.52
  text "Round" at -28.029,110.871 h1.52
  text "4" at -92.781,107.061 h1.52
  text "62.99mil (1.600mm)" at -75.057,107.061 h1.52
  text "PTH" at -40.879,107.061 h1.52
  text "Round" at -28.029,107.061 h1.52
  text "4" at -92.781,103.251 h1.52
  text "102.36mil (2.600mm)" at -75.057,103.251 h1.52
  text "PTH" at -40.879,103.251 h1.52
  text "Round" at -28.029,103.251 h1.52
  text "4" at -92.781,99.441 h1.52
  text "125.00mil (3.175mm)" at -75.057,99.441 h1.52
  text "NPTH" at -40.879,99.441 h1.52
  text "Round" at -28.029,99.441 h1.52
  text "6" at -92.781,95.631 h1.52
  text "35.43mil (0.900mm)" at -75.057,95.631 h1.52
  text "PTH" at -40.879,95.631 h1.52
  text "Round" at -28.029,95.631 h1.52
  text "12" at -92.781,91.821 h1.52
  text "15.75mil (0.400mm)" at -75.057,91.821 h1.52
  text "PTH" at -40.879,91.821 h1.52
  text "Round" at -28.029,91.821 h1.52
  text "14" at -92.781,88.011 h1.52
  text "53.00mil (1.346mm)" at -75.057,88.011 h1.52
  text "PTH" at -40.879,88.011 h1.52
  text "Round" at -28.029,88.011 h1.52
  text "61" at -92.781,84.201 h1.52
  text "7.87mil (0.200mm)" at -75.057,84.201 h1.52
  text "PTH" at -40.879,84.201 h1.52
  text "Round" at -28.029,84.201 h1.52
  text "D" at -106.37,83.947 h1.69
  text "82" at -92.781,80.391 h1.52
  text "40.00mil (1.016mm)" at -75.057,80.391 h1.52
  text "PTH" at -40.879,80.391 h1.52
  text "Round" at -28.029,80.391 h1.52
  text "270" at -92.781,76.581 h1.52
  text "25.00mil (0.635mm)" at -75.057,76.581 h1.52
  text "PTH" at -40.879,76.581 h1.52
  text "Round" at -28.029,76.581 h1.52
  text "1040" at -92.781,72.771 h1.52
  text "8.00mil (0.203mm)" at -75.057,72.771 h1.52
  text "PTH" at -40.879,72.771 h1.52
  text "Round" at -28.029,72.771 h1.52
  text "C" at -106.37,72.517 h1.69
  text "1515 Total" at -92.781,68.961 h1.52

## Dimensions
37.005,14.986 to 104,0 on Mechanical 8
37.005,14.986 to 189,0 on Mechanical 8
37.005,14.986 to 33,61.99 on Mechanical 8
202,14.986 to 189,84.49 on Mechanical 8

## Text inside footprints (layer, text, board x,y; h text height)
J13: Bottom Overlay "POS" at 169.509,93.477 h1.02 r270; Bottom Overlay "NEG" at 169.509,89.477 h1.02 r270
J14: Bottom Overlay "POS" at 169.509,82.952 h1.02 r270; Bottom Overlay "NEG" at 174.117,76.327 h1.02
J15: Bottom Overlay "POS" at 169.545,71.12 h1.02 r270; Bottom Overlay "NEG" at 169.545,67.437 h1.02 r270